# Allegro board S071AA-0413-20260427_Power.brd (continued)
## Routing (per net, layer and track width the routed paths; a pad name or vN(x,y) marks a point on that pad's centre or on a via; arc(x,y) is an arc through that point) (continued)
; D120.B7 30.75,38.91 ; D120.B7 30.75,37.29 ; D120.B7 29.94,38.1 ; D120.B7 31.56,38.1 ; 35.83,390.35 D232.B9 ; D232.B9 35.02,391.16 ; D232.B9 36.64,391.16 ; D232.B9 35.83,391.97 ; 238.22,60.96 D107.B2 ; D107.B2 239.03,61.77 ; D107.B2 239.84,60.96 ; D107.B2 239.03,60.15 ; D427.B1 129.81,381.81 ; D427.B1 129,381 ; D427.B1 129.81,380.19 ; D427.B1 130.62,381 ; D427.A14 96.79,384.35 ; D427.A14 96.79,382.73 ; D427.A14 95.98,383.54 ; D427.A14 97.6,383.54 ; 172.99,349.71 D114.B13 ; D114.B13 172.99,351.33 ; D114.B13 173.8,350.52 ; D114.B13 172.18,350.52 ; D123.B5 100.14,58.42 ; D123.B5 99.33,59.23 ; D123.B5 98.52,58.42 ; D123.B5 99.33,57.61 ; 174.72,76.2 D102.A6 ; D102.A6 175.53,75.39 ; D102.A6 175.53,77.01 ; D102.A6 176.34,76.2 ; 50.26,340.36 CSDPS429.C3 ; CSDPS429.C3 51.88,340.36 ; CSDPS429.C3 51.07,341.17 ; CSDPS429.C3 51.07,339.55 ; 45.99,52.53 D119.A13 ; D119.A13 45.99,54.15 ; D119.A13 45.18,53.34 ; D119.A13 46.8,53.34 ; 174.72,40.64 D104.B6 ; D104.B6 175.53,39.83 ; D104.B6 176.34,40.64 ; D104.B6 175.53,41.45 ; D428.B3 124.73,402.13 ; D428.B3 125.54,401.32 ; D428.B3 124.73,400.51 ; D428.B3 123.92,401.32 ; D110.B12 249.19,348.79 ; D110.B12 248.38,347.98 ; D110.B12 250,347.98 ; D110.B12 249.19,347.17 ; D102.B11 189.04,78.74 ; D102.B11 188.23,79.55 ; D102.B11 188.23,77.93 ; D102.B11 187.42,78.74 ; 116.3,40.64 D124.B12 ; D124.B12 117.11,41.45 ; D124.B12 117.11,39.83 ; D124.B12 117.92,40.64 ; 33.29,34.75 D120.A8 ; D120.A8 34.1,35.56 ; D120.A8 32.48,35.56 ; D120.A8 33.29,36.37 ; 44.38,361.14 UHC430.G2_8 ; UHC430.G2_8 45.19,361.95 ; UHC430.G2_8 43.57,361.95 ; UHC430.G2_8 44.38,362.76 ; D105.B7 252.54,99.06 ; D105.B7 251.73,98.25 ; D105.B7 250.92,99.06 ; D105.B7 251.73,99.87 ; D231.B8 39.18,368.3 ; D231.B8 38.37,369.11 ; D231.B8 38.37,367.49 ; D231.B8 37.56,368.3 ; D113.B16 165.37,328.47 ; D113.B16 166.18,327.66 ; D113.B16 165.37,326.85 ; D113.B16 164.56,327.66 ; CSDPS229.C11 31.56,330.2 ; CSDPS229.C11 30.75,331.01 ; CSDPS229.C11 29.94,330.2 ; CSDPS229.C11 30.75,329.39 ; D110.B2 275.4,347.98 ; D110.B2 273.78,347.98 ; D110.B2 274.59,347.17 ; D110.B2 274.59,348.79 ; D431.B14 23.94,378.46 ; D431.B14 23.13,379.27 ; D431.B14 22.32,378.46 ; D431.B14 23.13,377.65 ; 113.76,16.51 DPS3.B11 ; DPS3.B11 114.57,15.7 ; DPS3.B11 115.38,16.51 ; DPS3.B11 114.57,17.32 ; D108.A13 266.97,33.83 ; D108.A13 266.16,33.02 ; D108.A13 267.78,33.02 ; D108.A13 266.97,32.21 ; 45.99,375.11 D231.A5 ; D231.A5 46.8,375.92 ; D231.A5 45.99,376.73 ; D231.A5 45.18,375.92 ; 179.8,327.66 D113.B10 ; D113.B10 180.61,328.47 ; D113.B10 180.61,326.85 ; D113.B10 181.42,327.66 ; CSDPS226.C7 115.38,350.52 ; CSDPS226.C7 114.57,349.71 ; CSDPS226.C7 114.57,351.33 ; CSDPS226.C7 113.76,350.52 ; D110.B10 254.27,348.79 ; D110.B10 254.27,347.17 ; D110.B10 253.46,347.98 ; D110.B10 255.08,347.98 ; 53.61,392.89 D232.A2 ; D232.A2 54.42,393.7 ; D232.A2 52.8,393.7 ; D232.A2 53.61,394.51 ; 91.71,377.65 D427.B16 ; D427.B16 90.9,378.46 ; D427.B16 92.52,378.46 ; D427.B16 91.71,379.27 ; 266.97,390.35 D112.B5 ; D112.B5 266.97,391.97 ; D112.B5 266.16,391.16 ; D112.B5 267.78,391.16 ; 236.49,52.53 D107.A1 ; D107.A1 236.49,54.15 ; D107.A1 235.68,53.34 ; D107.A1 237.3,53.34 ; 45.53,352.73 UHC230.G3_5 ; UHC230.G3_5 45.53,354.35 ; UHC230.G3_5 46.34,353.54 ; UHC230.G3_5 44.72,353.54 ; 38.37,403.05 D432.A8 ; D432.A8 39.18,403.86 ; D432.A8 37.56,403.86 ; D432.A8 38.37,404.67 ; 114.57,375.11 D227.A7 ; D227.A7 115.38,375.92 ; D227.A7 114.57,376.73 ; D227.A7 113.76,375.92 ; 162.83,77.93 D102.B1 ; D102.B1 163.64,78.74 ; D102.B1 162.83,79.55 ; D102.B1 162.02,78.74 ; 118.84,340.36 CSDPS425.C5 ; CSDPS425.C5 120.46,340.36 ; CSDPS425.C5 119.65,341.17 ; CSDPS425.C5 119.65,339.55 ; 93.44,38.1 D124.B3 ; D124.B3 95.06,38.1 ; D124.B3 94.25,37.29 ; D124.B3 94.25,38.91 ; D102.A4 171.26,76.2 ; D102.A4 170.45,77.01 ; D102.A4 169.64,76.2 ; D102.A4 170.45,75.39 ; 48.98,357.64 UHC430.G2_11 ; UHC430.G2_11 48.98,359.26 ; UHC430.G2_11 48.17,358.45 ; UHC430.G2_11 49.79,358.45 ; 24.86,33.02 D120.A5 ; D120.A5 25.67,32.21 ; D120.A5 26.48,33.02 ; D120.A5 25.67,33.83 ; 27.4,332.74 CSDPS229.B12 ; CSDPS229.B12 29.02,332.74 ; CSDPS229.B12 28.21,333.55 ; CSDPS229.B12 28.21,331.93 ; 40.1,33.02 D120.A11 ; D120.A11 40.91,33.83 ; D120.A11 40.91,32.21 ; D120.A11 41.72,33.02 ; 188.23,354.79 D114.A7 ; D114.A7 187.42,355.6 ; D114.A7 188.23,356.41 ; D114.A7 189.04,355.6 ; 88.36,401.32 D428.B17 ; D428.B17 89.98,401.32 ; D428.B17 89.17,400.51 ; D428.B17 89.17,402.13 ; 190.77,39.83 D104.B12 ; D104.B12 191.58,40.64 ; D104.B12 189.96,40.64 ; D104.B12 190.77,41.45 ; 249.19,352.25 D110.A12 ; D110.A12 249.19,353.87 ; D110.A12 248.38,353.06 ; D110.A12 250,353.06 ; 90.9,373.38 D227.A16 ; D227.A16 91.71,372.57 ; D227.A16 92.52,373.38 ; D227.A16 91.71,374.19 ; D122.A6 101.87,77.01 ; D122.A6 101.06,76.2 ; D122.A6 102.68,76.2 ; D122.A6 101.87,75.39 ; 22.32,398.78 D432.B14 ; D432.B14 23.94,398.78 ; D432.B14 23.13,397.97 ; D432.B14 23.13,399.59 ; CSDPS425.C15 95.06,340.36 ; CSDPS425.C15 94.25,339.55 ; CSDPS425.C15 94.25,341.17 ; CSDPS425.C15 93.44,340.36 ; D432.B15 20.59,402.13 ; D432.B15 20.59,400.51 ; D432.B15 21.4,401.32 ; D432.B15 19.78,401.32 ; 111.22,393.7 D228.A8 ; D228.A8 112.03,392.89 ; D228.A8 112.03,394.51 ; D228.A8 112.84,393.7 ; 203.47,349.71 D114.B1 ; D114.B1 204.28,350.52 ; D114.B1 203.47,351.33 ; D114.B1 202.66,350.52 ; 40.91,57.61 D119.B11 ; D119.B11 40.91,59.23 ; D119.B11 41.72,58.42 ; D119.B11 40.1,58.42 ; 190.77,347.17 D114.B6 ; D114.B6 189.96,347.98 ; D114.B6 190.77,348.79 ; D114.B6 191.58,347.98 ; 17.24,35.56 D120.A2 ; D120.A2 18.86,35.56 ; D120.A2 18.05,34.75 ; D120.A2 18.05,36.37 ; 38.37,39.83 D120.B10 ; D120.B10 39.18,40.64 ; D120.B10 37.56,40.64 ; D120.B10 38.37,41.45 ; 277.13,334.47 D109.A1 ; D109.A1 277.94,335.28 ; D109.A1 277.13,336.09 ; D109.A1 276.32,335.28 ; D112.A10 255.08,393.7 ; D112.A10 253.46,393.7 ; D112.A10 254.27,394.51 ; D112.A10 254.27,392.89 ; 15.51,52.53 D119.A1 ; D119.A1 16.32,53.34 ; D119.A1 14.7,53.34 ; D119.A1 15.51,54.15 ; 38.37,331.93 CSDPS229.B8 ; CSDPS229.B8 38.37,333.55 ; CSDPS229.B8 37.56,332.74 ; CSDPS229.B8 39.18,332.74 ; D121.A14 122.19,97.33 ; D121.A14 121.38,96.52 ; D121.A14 122.19,95.71 ; D121.A14 123,96.52 ; 114.57,385.27 D427.A7 ; D427.A7 114.57,386.89 ; D427.A7 113.76,386.08 ; D427.A7 115.38,386.08 ; D112.B7 262.7,391.16 ; D112.B7 261.89,390.35 ; D112.B7 261.08,391.16 ; D112.B7 261.89,391.97 ; 40.1,386.08 D431.A7 ; D431.A7 40.91,385.27 ; D431.A7 40.91,386.89 ; D431.A7 41.72,386.08 ; D111.A2 274.59,374.19 ; D111.A2 274.59,372.57 ; D111.A2 275.4,373.38 ; D111.A2 273.78,373.38 ; 189.96,81.28 D102.B12 ; D102.B12 191.58,81.28 ; D102.B12 190.77,80.47 ; D102.B12 190.77,82.09 ; 263.62,353.06 D110.A6 ; D110.A6 265.24,353.06 ; D110.A6 264.43,353.87 ; D110.A6 264.43,352.25 ; D120.A3 20.59,33.83 ; D120.A3 20.59,32.21 ; D120.A3 21.4,33.02 ; D120.A3 19.78,33.02 ; CSDPS425.B16 92.52,342.9 ; CSDPS425.B16 91.71,342.09 ; CSDPS425.B16 90.9,342.9 ; CSDPS425.B16 91.71,343.71 ; 99.33,390.35 D228.B13 ; D228.B13 100.14,391.16 ; D228.B13 98.52,391.16 ; D228.B13 99.33,391.97 ; 44.38,364.64 UHC430.G2_3 ; UHC430.G2_3 43.57,365.45 ; UHC430.G2_3 44.38,366.26 ; UHC430.G2_3 45.19,365.45 ; D431.A16 18.86,383.54 ; D431.A16 18.05,382.73 ; D431.A16 17.24,383.54 ; D431.A16 18.05,384.35 ; 99.33,77.93 D122.B5 ; D122.B5 98.52,78.74 ; D122.B5 100.14,78.74 ; D122.B5 99.33,79.55 ; D121.A3 95.06,93.98 ; D121.A3 94.25,93.17 ; D121.A3 94.25,94.79 ; D121.A3 93.44,93.98 ; D123.B14 122.19,61.77 ; D123.B14 123,60.96 ; D123.B14 121.38,60.96 ; D123.B14 122.19,60.15 ; 129,360.68 CSDPS426.C1 ; CSDPS426.C1 130.62,360.68 ; CSDPS426.C1 129.81,361.49 ; CSDPS426.C1 129.81,359.87 ; 118.84,58.42 D123.B13 ; D123.B13 119.65,59.23 ; D123.B13 119.65,57.61 ; D123.B13 120.46,58.42 ; D428.A17 89.17,407.21 ; D428.A17 89.17,405.59 ; D428.A17 89.98,406.4 ; D428.A17 88.36,406.4 ; D108.B4 244.11,41.45 ; D108.B4 244.11,39.83 ; D108.B4 243.3,40.64 ; D108.B4 244.92,40.64 ; 44.72,363.7 UHC430.G2_5 ; UHC430.G2_5 45.53,364.51 ; UHC430.G2_5 45.53,362.89 ; UHC430.G2_5 46.34,363.7 ; D231.B2 54.42,368.3 ; D231.B2 53.61,367.49 ; D231.B2 52.8,368.3 ; D231.B2 53.61,369.11 ; CSDPS226.B12 102.68,353.06 ; CSDPS226.B12 101.87,352.25 ; CSDPS226.B12 101.06,353.06 ; CSDPS226.B12 101.87,353.87 ; 22.32,55.88 D119.A4 ; D119.A4 23.13,56.69 ; D119.A4 23.94,55.88 ; D119.A4 23.13,55.07 ; D232.B11 31.56,391.16 ; D232.B11 30.75,391.97 ; D232.B11 29.94,391.16 ; D232.B11 30.75,390.35 ; 172.18,396.24 D116.A13 ; D116.A13 172.99,395.43 ; D116.A13 173.8,396.24 ; D116.A13 172.99,397.05 ; UHC230.G4_10 15.73,350.85 ; UHC230.G4_10 14.92,350.04 ; UHC230.G4_10 16.54,350.04 ; UHC230.G4_10 15.73,349.23 ; 162.83,57.61 D103.B1 ; D103.B1 162.83,59.23 ; D103.B1 163.64,58.42 ; D103.B1 162.02,58.42 ; 48.53,55.07 D119.A14 ; D119.A14 49.34,55.88 ; D119.A14 48.53,56.69 ; D119.A14 47.72,55.88 ; D119.A15 51.07,54.15 ; D119.A15 51.88,53.34 ; D119.A15 51.07,52.53 ; D119.A15 50.26,53.34 ; D106.B11 261.89,79.55 ; D106.B11 261.89,77.93 ; D106.B11 261.08,78.74 ; D106.B11 262.7,78.74 ; D122.B9 109.49,79.55 ; D122.B9 109.49,77.93 ; D122.B9 108.68,78.74 ; D122.B9 110.3,78.74 ; D227.B17 89.17,371.65 ; D227.B17 89.17,370.03 ; D227.B17 89.98,370.84 ; D227.B17 88.36,370.84 ; DPS1.A01 237.3,13.97 ; DPS1.A01 236.49,14.78 ; DPS1.A01 235.68,13.97 ; DPS1.A01 236.49,13.16 ; DPS1.A15 272.86,13.97 ; DPS1.A15 272.05,14.78 ; DPS1.A15 272.05,13.16 ; DPS1.A15 271.24,13.97 ; D111.A3 272.05,376.73 ; D111.A3 271.24,375.92 ; D111.A3 272.86,375.92 ; D111.A3 272.05,375.11 ; 45.99,32.21 D120.A13 ; D120.A13 46.8,33.02 ; D120.A13 45.99,33.83 ; D120.A13 45.18,33.02 ; CSDPS229.B16 18.86,332.74 ; CSDPS229.B16 17.24,332.74 ; CSDPS229.B16 18.05,331.93 ; CSDPS229.B16 18.05,333.55 ; 266.16,73.66 D106.A13 ; D106.A13 267.78,73.66 ; D106.A13 266.97,72.85 ; D106.A13 266.97,74.47 ; D103.A13 193.31,54.15 ; D103.A13 192.5,53.34 ; D103.A13 193.31,52.53 ; D103.A13 194.12,53.34 ; 185.69,352.25 D114.A8 ; D114.A8 184.88,353.06 ; D114.A8 186.5,353.06 ; D114.A8 185.69,353.87 ; DPS2.B01 204.28,412.75 ; DPS2.B01 203.47,411.94 ; DPS2.B01 203.47,413.56 ; DPS2.B01 202.66,412.75 ; UHC230.G3_11 48.98,349.1 ; UHC230.G3_11 48.98,347.48 ; UHC230.G3_11 48.17,348.29 ; UHC230.G3_11 49.79,348.29 ; 119.65,93.17 D121.A13 ; D121.A13 120.46,93.98 ; D121.A13 118.84,93.98 ; D121.A13 119.65,94.79 ; D114.A11 178.88,355.6 ; D114.A11 177.26,355.6 ; D114.A11 178.07,354.79 ; D114.A11 178.07,356.41 ; D115.B12 176.34,368.3 ; D115.B12 174.72,368.3 ; D115.B12 175.53,369.11 ; D115.B12 175.53,367.49 ; 246.65,72.85 D106.A5 ; D106.A5 245.84,73.66 ; D106.A5 247.46,73.66 ; D106.A5 246.65,74.47 ; 118.84,330.2 CSDPS225.C5 ; CSDPS225.C5 119.65,329.39 ; CSDPS225.C5 119.65,331.01 ; CSDPS225.C5 120.46,330.2 ; 177.26,391.16 D116.B11 ; D116.B11 178.07,390.35 ; D116.B11 178.88,391.16 ; D116.B11 178.07,391.97 ; 126.46,363.22 CSDPS426.B2 ; CSDPS426.B2 128.08,363.22 ; CSDPS426.B2 127.27,364.03 ; CSDPS426.B2 127.27,362.41 ; 35.83,57.61 D119.B9 ; D119.B9 36.64,58.42 ; D119.B9 35.83,59.23 ; D119.B9 35.02,58.42 ; 108.68,391.16 D228.B9 ; D228.B9 109.49,390.35 ; D228.B9 110.3,391.16 ; D228.B9 109.49,391.97 ; D114.B10 180.61,348.79 ; D114.B10 179.8,347.98 ; D114.B10 180.61,347.17 ; D114.B10 181.42,347.98 ; 249.19,80.47 D106.B6 ; D106.B6 249.19,82.09 ; D106.B6 248.38,81.28 ; D106.B6 250,81.28 ; D227.A9 110.3,375.92 ; D227.A9 109.49,375.11 ; D227.A9 109.49,376.73 ; D227.A9 108.68,375.92 ; 53.61,34.75 D120.A16 ; D120.A16 54.42,35.56 ; D120.A16 52.8,35.56 ; D120.A16 53.61,36.37 ; D107.A11 261.89,54.15 ; D107.A11 262.7,53.34 ; D107.A11 261.08,53.34 ; D107.A11 261.89,52.53 ; 99.33,359.87 CSDPS426.C13 ; CSDPS426.C13 98.52,360.68 ; CSDPS426.C13 99.33,361.49 ; CSDPS426.C13 100.14,360.68 ; 13.77,361.95 UHC430.G1_8 ; UHC430.G1_8 14.58,362.76 ; UHC430.G1_8 15.39,361.95 ; UHC430.G1_8 14.58,361.14 ; D431.B7 40.91,381.81 ; D431.B7 41.72,381 ; D431.B7 40.1,381 ; D431.B7 40.91,380.19 ; 95.98,342.9 CSDPS425.B14 ; CSDPS425.B14 97.6,342.9 ; CSDPS425.B14 96.79,342.09 ; CSDPS425.B14 96.79,343.71 ; D111.B14 244.92,368.3 ; D111.B14 244.11,369.11 ; D111.B14 244.11,367.49 ; D111.B14 243.3,368.3 ; D105.A4 244.92,96.52 ; D105.A4 243.3,96.52 ; D105.A4 244.11,95.71 ; D105.A4 244.11,97.33 ; D107.A15 272.86,53.34 ; D107.A15 272.05,52.53 ; D107.A15 271.24,53.34 ; D107.A15 272.05,54.15 ; 16.88,347.48 UHC230.G4_12 ; UHC230.G4_12 16.07,348.29 ; UHC230.G4_12 17.69,348.29 ; UHC230.G4_12 16.88,349.1 ; CSDPS226.B8 112.03,353.87 ; CSDPS226.B8 111.22,353.06 ; CSDPS226.B8 112.03,352.25 ; CSDPS226.B8 112.84,353.06 ; 266.16,375.92 D111.A5 ; D111.A5 266.97,376.73 ; D111.A5 267.78,375.92 ; D111.A5 266.97,375.11 ; 52.8,60.96 D119.B16 ; D119.B16 53.61,61.77 ; D119.B16 53.61,60.15 ; D119.B16 54.42,60.96 ; D109.A12 249.19,333.55 ; D109.A12 250,332.74 ; D109.A12 249.19,331.93 ; D109.A12 248.38,332.74 ; 239.03,55.07 D107.A2 ; D107.A2 238.22,55.88 ; D107.A2 239.84,55.88 ; D107.A2 239.03,56.69 ; DPS1.B05 246.65,17.32 ; DPS1.B05 246.65,15.7 ; DPS1.B05 245.84,16.51 ; DPS1.B05 247.46,16.51 ; 111.22,388.62 D228.B8 ; D228.B8 112.84,388.62 ; D228.B8 112.03,387.81 ; D228.B8 112.03,389.43 ; D106.B9 257.62,78.74 ; D106.B9 256.81,77.93 ; D106.B9 256.81,79.55 ; D106.B9 256,78.74 ; 241.57,375.11 D111.A15 ; D111.A15 240.76,375.92 ; D111.A15 241.57,376.73 ; D111.A15 242.38,375.92 ; 193.31,349.71 D114.B5 ; D114.B5 194.12,350.52 ; D114.B5 193.31,351.33 ; D114.B5 192.5,350.52 ; 269.51,372.57 D111.A4 ; D111.A4 269.51,374.19 ; D111.A4 268.7,373.38 ; D111.A4 270.32,373.38 ; D108.B6 250,40.64 ; D108.B6 249.19,41.45 ; D108.B6 248.38,40.64 ; D108.B6 249.19,39.83 ; 195.85,372.57 D115.A4 ; D115.A4 196.66,373.38 ; D115.A4 195.04,373.38 ; D115.A4 195.85,374.19 ; D120.B1 16.32,38.1 ; D120.B1 14.7,38.1 ; D120.B1 15.51,38.91 ; D120.B1 15.51,37.29 ; D227.A17 89.98,375.92 ; D227.A17 89.17,375.11 ; D227.A17 89.17,376.73 ; D227.A17 88.36,375.92 ; D431.B16 18.86,378.46 ; D431.B16 18.05,377.65 ; D431.B16 17.24,378.46 ; D431.B16 18.05,379.27 ; D124.B1 89.98,38.1 ; D124.B1 89.17,37.29 ; D124.B1 89.17,38.91 ; D124.B1 88.36,38.1 ; 118.84,78.74 D122.B13 ; D122.B13 119.65,77.93 ; D122.B13 119.65,79.55 ; D122.B13 120.46,78.74 ; 35.02,53.34 D119.A9 ; D119.A9 36.64,53.34 ; D119.A9 35.83,54.15 ; D119.A9 35.83,52.53 ; DPS8.C11 30.75,411.02 ; DPS8.C11 31.56,410.21 ; DPS8.C11 29.94,410.21 ; DPS8.C11 30.75,409.4 ; 40.1,53.34 D119.A11 ; D119.A11 41.72,53.34 ; D119.A11 40.91,52.53 ; D119.A11 40.91,54.15 ; 244.11,387.81 D112.B14 ; D112.B14 244.11,389.43 ; D112.B14 243.3,388.62 ; D112.B14 244.92,388.62 ; D108.B10 259.35,41.45 ; D108.B10 260.16,40.64 ; D108.B10 259.35,39.83 ; D108.B10 258.54,40.64 ; D114.B12 175.53,348.79 ; D114.B12 176.34,347.98 ; D114.B12 174.72,347.98 ; D114.B12 175.53,347.17 ; 14.58,357.64 UHC430.G1_13 ; UHC430.G1_13 14.58,359.26 ; UHC430.G1_13 13.77,358.45 ; UHC430.G1_13 15.39,358.45 ; D112.A4 270.32,393.7 ; D112.A4 268.7,393.7 ; D112.A4 269.51,394.51 ; D112.A4 269.51,392.89 ; D102.B13 193.31,79.55 ; D102.B13 194.12,78.74 ; D102.B13 193.31,77.93 ; D102.B13 192.5,78.74 ; D114.A6 191.58,353.06 ; D114.A6 190.77,353.87 ; D114.A6 190.77,352.25 ; D114.A6 189.96,353.06 ; D103.A4 170.45,56.69 ; D103.A4 169.64,55.88 ; D103.A4 171.26,55.88 ; D103.A4 170.45,55.07 ; D106.A1 237.3,73.66 ; D106.A1 236.49,72.85 ; D106.A1 235.68,73.66 ; D106.A1 236.49,74.47 ; D104.B3 167.91,38.91 ; D104.B3 167.1,38.1 ; D104.B3 167.91,37.29 ; D104.B3 168.72,38.1 ; CSDPS226.C13 99.33,351.33 ; CSDPS226.C13 99.33,349.71 ; CSDPS226.C13 100.14,350.52 ; CSDPS226.C13 98.52,350.52 ; D112.A5 267.78,396.24 ; D112.A5 266.97,395.43 ; D112.A5 266.16,396.24 ; D112.A5 266.97,397.05 ; UHC230.G4_8 14.58,352.6 ; UHC230.G4_8 13.77,351.79 ; UHC230.G4_8 14.58,350.98 ; UHC230.G4_8 15.39,351.79 ; CSDPS226.B6 117.11,353.87 ; CSDPS226.B6 117.11,352.25 ; CSDPS226.B6 117.92,353.06 ; CSDPS226.B6 116.3,353.06 ; D110.A7 261.89,356.41 ; D110.A7 262.7,355.6 ; D110.A7 261.89,354.79 ; D110.A7 261.08,355.6 ; 266.97,349.71 D110.B5 ; D110.B5 267.78,350.52 ; D110.B5 266.16,350.52 ; D110.B5 266.97,351.33 ; UHC230.G3 46.68,352.6 ; UHC230.G3 45.87,351.79 ; UHC230.G3 46.68,350.98 ; UHC230.G3 47.49,351.79 ; D106.A16 274.59,77.01 ; D106.A16 273.78,76.2 ; D106.A16 275.4,76.2 ; D106.A16 274.59,75.39 ; 240.76,58.42 D107.B3 ; D107.B3 241.57,59.23 ; D107.B3 242.38,58.42 ; D107.B3 241.57,57.61 ; 38.37,372.57 D231.A8 ; D231.A8 39.18,373.38 ; D231.A8 37.56,373.38 ; D231.A8 38.37,374.19 ; CSDPS229.B4 49.34,332.74 ; CSDPS229.B4 48.53,331.93 ; CSDPS229.B4 48.53,333.55 ; CSDPS229.B4 47.72,332.74 ; 129,406.4 D428.A1 ; D428.A1 129.81,407.21 ; D428.A1 129.81,405.59 ; D428.A1 130.62,406.4 ; D112.B13 246.65,391.97 ; D112.B13 247.46,391.16 ; D112.B13 246.65,390.35 ; D112.B13 245.84,391.16 ; 187.42,350.52 D114.B7 ; D114.B7 188.23,349.71 ; D114.B7 189.04,350.52 ; D114.B7 188.23,351.33 ; 187.42,38.1 D104.B11 ; D104.B11 188.23,37.29 ; D104.B11 188.23,38.91 ; D104.B11 189.04,38.1 ; D428.A15 94.25,407.21 ; D428.A15 94.25,405.59 ; D428.A15 95.06,406.4 ; D428.A15 93.44,406.4 ; D231.B16 18.86,368.3 ; D231.B16 18.05,367.49 ; D231.B16 17.24,368.3 ; D231.B16 18.05,369.11 ; 90.9,383.54 D427.A16 ; D427.A16 91.71,384.35 ; D427.A16 92.52,383.54 ; D427.A16 91.71,382.73 ; 200.93,331.93 D113.A2 ; D113.A2 200.93,333.55 ; D113.A2 200.12,332.74 ; D113.A2 201.74,332.74 ; D232.A7 41.72,396.24 ; D232.A7 40.1,396.24 ; D232.A7 40.91,397.05 ; D232.A7 40.91,395.43 ; 261.08,330.2 D109.B7 ; D109.B7 261.89,329.39 ; D109.B7 262.7,330.2 ; D109.B7 261.89,331.01 ; D231.B14 23.13,369.11 ; D231.B14 23.94,368.3 ; D231.B14 22.32,368.3 ; D231.B14 23.13,367.49 ; D121.A4 96.79,97.33 ; D121.A4 96.79,95.71 ; D121.A4 95.98,96.52 ; D121.A4 97.6,96.52 ; D102.B9 183.15,79.55 ; D102.B9 182.34,78.74 ; D102.B9 183.96,78.74 ; D102.B9 183.15,77.93 ; 95.98,363.22 CSDPS426.B14 ; CSDPS426.B14 96.79,362.41 ; CSDPS426.B14 97.6,363.22 ; CSDPS426.B14 96.79,364.03 ; D104.A15 199.2,33.02 ; D104.A15 198.39,32.21 ; D104.A15 198.39,33.83 ; D104.A15 197.58,33.02 ; 249.19,95.71 D105.A6 ; D105.A6 250,96.52 ; D105.A6 248.38,96.52 ; D105.A6 249.19,97.33 ; 178.07,77.93 D102.B7 ; D102.B7 177.26,78.74 ; D102.B7 178.88,78.74 ; D102.B7 178.07,79.55 ; 124.73,37.29 D124.B15 ; D124.B15 123.92,38.1 ; D124.B15 124.73,38.91 ; D124.B15 125.54,38.1 ; 112.03,382.73 D427.A8 ; D427.A8 112.84,383.54 ; D427.A8 111.22,383.54 ; D427.A8 112.03,384.35 ; D105.B4 244.92,101.6 ; D105.B4 244.11,100.79 ; D105.B4 243.3,101.6 ; D105.B4 244.11,102.41 ; 53.61,372.57 D231.A2 ; D231.A2 52.8,373.38 ; D231.A2 54.42,373.38 ; D231.A2 53.61,374.19 ; D106.B2 239.84,81.28 ; D106.B2 238.22,81.28 ; D106.B2 239.03,82.09 ; D106.B2 239.03,80.47 ; UHC230.G4_5 15.73,354.35 ; UHC230.G4_5 16.54,353.54 ; UHC230.G4_5 14.92,353.54 ; UHC230.G4_5 15.73,352.73 ; D107.A3 241.57,54.15 ; D107.A3 240.76,53.34 ; D107.A3 242.38,53.34 ; D107.A3 241.57,52.53 ; D108.B2 239.03,41.45 ; D108.B2 239.84,40.64 ; D108.B2 239.03,39.83 ; D108.B2 238.22,40.64 ; D116.B5 193.31,391.97 ; D116.B5 193.31,390.35 ; D116.B5 192.5,391.16 ; D116.B5 194.12,391.16 ; 169.64,81.28 D102.B4 ; D102.B4 170.45,80.47 ; D102.B4 170.45,82.09 ; D102.B4 171.26,81.28 ; D427.A17 89.98,386.08 ; D427.A17 89.17,386.89 ; D427.A17 89.17,385.27 ; D427.A17 88.36,386.08 ; 108.68,396.24 D228.A9 ; D228.A9 109.49,395.43 ; D228.A9 109.49,397.05 ; D228.A9 110.3,396.24 ; D113.A4 196.66,332.74 ; D113.A4 195.04,332.74 ; D113.A4 195.85,333.55 ; D113.A4 195.85,331.93 ; 35.83,370.03 D231.B9 ; D231.B9 35.02,370.84 ; D231.B9 35.83,371.65 ; D231.B9 36.64,370.84 ; D105.A15 272.05,94.79 ; D105.A15 272.05,93.17 ; D105.A15 271.24,93.98 ; D105.A15 272.86,93.98 ; D104.A5 173.8,33.02 ; D104.A5 172.18,33.02 ; D104.A5 172.99,33.83 ; D104.A5 172.99,32.21 ; D103.B16 200.93,61.77 ; D103.B16 200.93,60.15 ; D103.B16 201.74,60.96 ; D103.B16 200.12,60.96 ; D101.A15 198.39,94.79 ; D101.A15 198.39,93.17 ; D101.A15 199.2,93.98 ; D101.A15 197.58,93.98 ; D101.B15 199.2,99.06 ; D101.B15 198.39,98.25 ; D101.B15 197.58,99.06 ; D101.B15 198.39,99.87 ; 45.18,401.32 D432.B5 ; D432.B5 45.99,400.51 ; D432.B5 46.8,401.32 ; D432.B5 45.99,402.13 ; CSDPS226.B10 106.95,353.87 ; CSDPS226.B10 106.95,352.25 ; CSDPS226.B10 106.14,353.06 ; CSDPS226.B10 107.76,353.06 ; D227.B2 127.27,369.11 ; D227.B2 128.08,368.3 ; D227.B2 126.46,368.3 ; D227.B2 127.27,367.49 ; D112.A11 252.54,396.24 ; D112.A11 250.92,396.24 ; D112.A11 251.73,397.05 ; D112.A11 251.73,395.43 ; 182.34,53.34 D103.A9 ; D103.A9 183.96,53.34 ; D103.A9 183.15,52.53 ; D103.A9 183.15,54.15 ; D231.B12 28.21,369.11 ; D231.B12 29.02,368.3 ; D231.B12 28.21,367.49 ; D231.B12 27.4,368.3 ; 106.14,342.9 CSDPS425.B10 ; CSDPS425.B10 107.76,342.9 ; CSDPS425.B10 106.95,342.09 ; CSDPS425.B10 106.95,343.71 ; 35.02,401.32 D432.B9 ; D432.B9 36.64,401.32 ; D432.B9 35.83,402.13 ; D432.B9 35.83,400.51 ; 32.48,393.7 D232.A10 ; D232.A10 33.29,392.89 ; D232.A10 34.1,393.7 ; D232.A10 33.29,394.51 ; 46.68,364.64 UHC430.G2_2 ; UHC430.G2_2 46.68,366.26 ; UHC430.G2_2 47.49,365.45 ; UHC430.G2_2 45.87,365.45 ; D114.B14 170.45,348.79 ; D114.B14 170.45,347.17 ; D114.B14 171.26,347.98 ; D114.B14 169.64,347.98 ; DPS8.B01 56.96,412.75 ; DPS8.B01 56.15,413.56 ; DPS8.B01 56.15,411.94 ; DPS8.B01 55.34,412.75 ; D120.A9 36.64,33.02 ; D120.A9 35.83,32.21 ; D120.A9 35.02,33.02 ; D120.A9 35.83,33.83 ; D432.A10 33.29,404.67 ; D432.A10 32.48,403.86 ; D432.A10 34.1,403.86 ; D432.A10 33.29,403.05 ; 266.16,370.84 D111.B5 ; D111.B5 266.97,370.03 ; D111.B5 266.97,371.65 ; D111.B5 267.78,370.84 ; UHC230.G3_8 44.38,352.6 ; UHC230.G3_8 43.57,351.79 ; UHC230.G3_8 44.38,350.98 ; UHC230.G3_8 45.19,351.79 ; D123.A6 101.87,56.69 ; D123.A6 101.06,55.88 ; D123.A6 102.68,55.88 ; D123.A6 101.87,55.07 ; 274.59,60.15 D107.B16 ; D107.B16 275.4,60.96 ; D107.B16 273.78,60.96 ; D107.B16 274.59,61.77 ; 20.59,385.27 D431.A15 ; D431.A15 19.78,386.08 ; D431.A15 21.4,386.08 ; D431.A15 20.59,386.89 ; 20.59,370.03 D231.B15 ; D231.B15 21.4,370.84 ; D231.B15 19.78,370.84 ; D231.B15 20.59,371.65 ; 238.22,101.6 D105.B2 ; D105.B2 239.84,101.6 ; D105.B2 239.03,100.79 ; D105.B2 239.03,102.41 ; CSDPS229.C13 26.48,330.2 ; CSDPS229.C13 25.67,329.39 ; CSDPS229.C13 24.86,330.2 ; CSDPS229.C13 25.67,331.01 ; 118.84,401.32 D428.B5 ; D428.B5 120.46,401.32 ; D428.B5 119.65,400.51 ; D428.B5 119.65,402.13 ; D103.B14 196.66,60.96 ; D103.B14 195.04,60.96 ; D103.B14 195.85,60.15 ; D103.B14 195.85,61.77 ; DPS2.A15 168.72,415.29 ; DPS2.A15 167.91,414.48 ; DPS2.A15 167.91,416.1 ; DPS2.A15 167.1,415.29 ; 96.79,331.93 CSDPS225.B14 ; CSDPS225.B14 95.98,332.74 ; CSDPS225.B14 97.6,332.74 ; CSDPS225.B14 96.79,333.55 ; 22.32,40.64 D120.B4 ; D120.B4 23.13,41.45 ; D120.B4 23.94,40.64 ; D120.B4 23.13,39.83 ; 184.88,332.74 D113.A8 ; D113.A8 185.69,331.93 ; D113.A8 186.5,332.74 ; D113.A8 185.69,333.55 ; D111.B10 254.27,369.11 ; D111.B10 255.08,368.3 ; D111.B10 253.46,368.3 ; D111.B10 254.27,367.49 ; D104.A4 170.45,36.37 ; D104.A4 170.45,34.75 ; D1